# Allegro board MCU-V4.brd (continued)
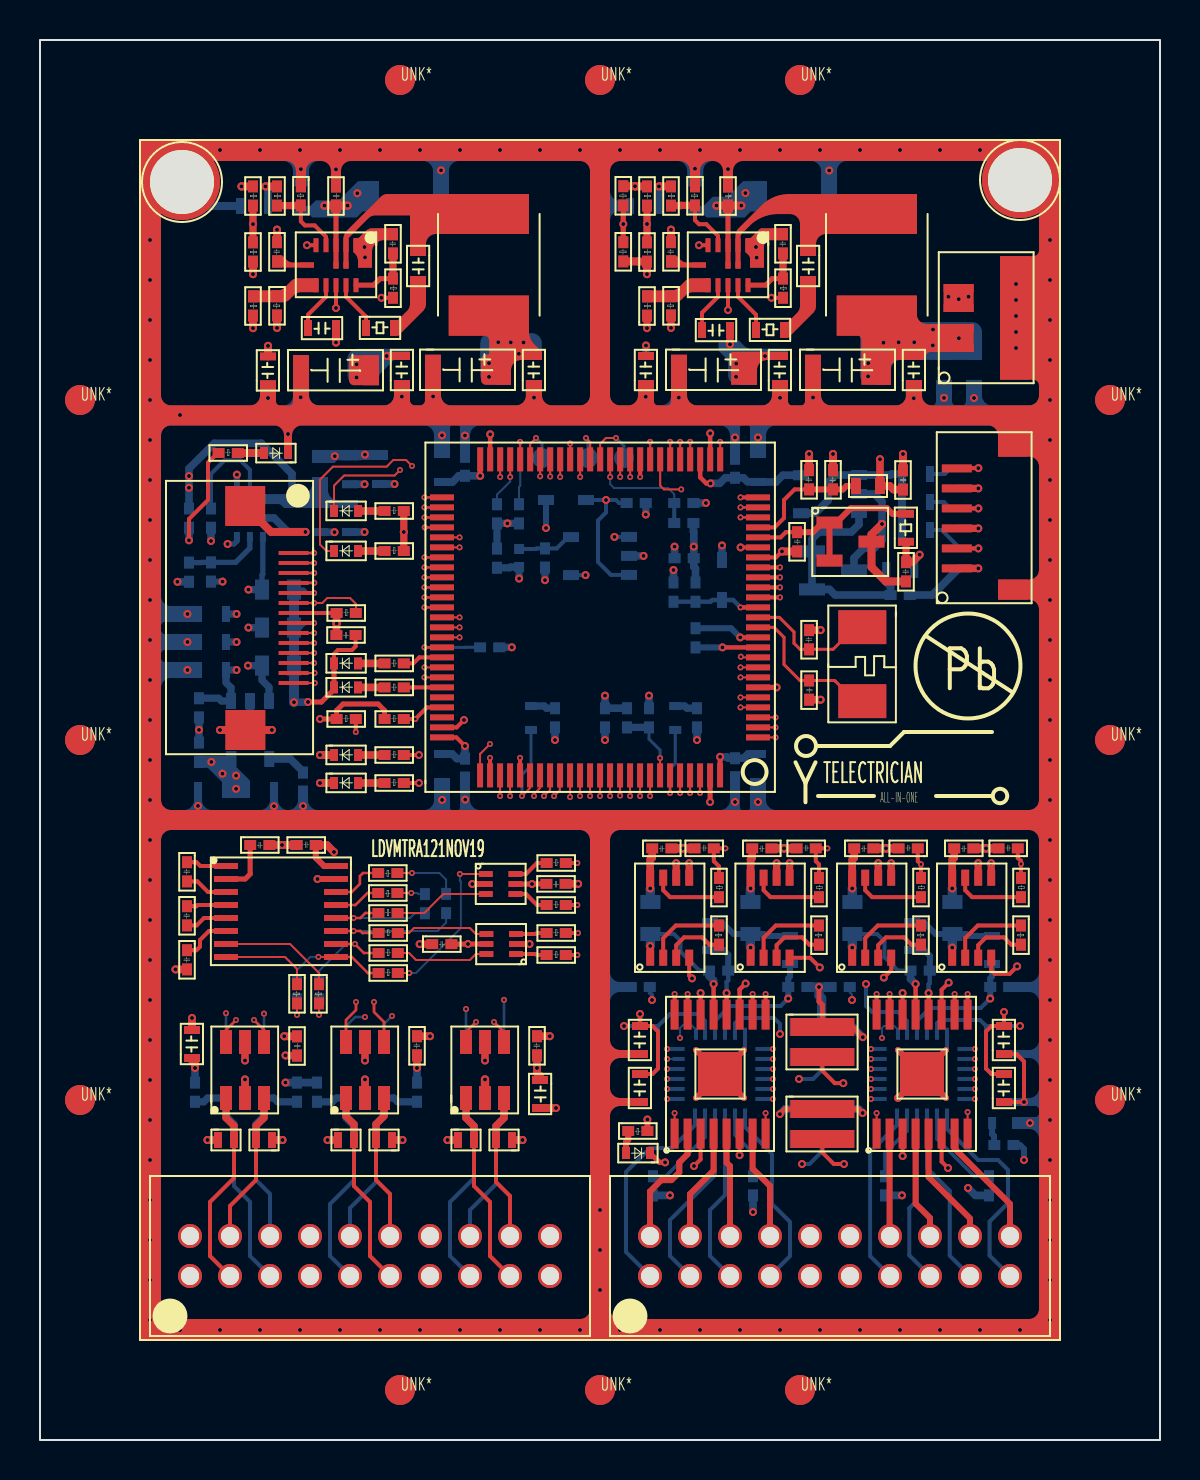
[diagram p0: board, top side]
## Routing (per net, layer and track width the routed paths; a pad name or vN(x,y) marks a point on that pad's centre or on a via; arc(x,y) is an arc through that point) (continued)
12V_MTR: length 2.4
  TOP w0.1: C14.2 v2(30.3,54.73)
  TOP w0.36: R16.2 v2(31.55,55.6) ; C10.1 v2(34.5,54.78)
  BOTTOM w0.38: C14.2 v2(30.3,54.73)
  vias: v2(34.81,53.82) v2(34.8,53.16) v2(36.25,54.2) v2(41.41,53.84) v2(41.4,53.18) v2(42.17,54.86) v2(42.93,54.88) v2(43.71,54.89) v2(44.64,54.73) v2(44.65,55.52) v2(45.95,55.09)
GND: length 201
  TOP w0.2: U4.19 36.8,44.13 v2(37.1,44.43) ; C26.2 15.78,39.68 15.6,39.5 14.89,39.5 14.7,39.31 D4.1 ; C51.1 v2(49.2,16.9) 49.2,18.93 48.83,19.3 C45.1 ; U4.74 20.83,35.63 v2(21.2,36) ; U4.20 v2(35.03,44.63) ; 12.68,40.85 v1(13.71,40.85) ; 12.68,42.35 v1(13.71,42.35)
  TOP w0.22: U4.27 v2(33.51,50.33) ; U16.13 v2(43.78,22.8) ; U4.10 v2(34.12,39.63) ; U15.13 v2(33.68,22.8) ; U4.49 v2(22.51,50.28)
  TOP w0.25: D4.1 D5.1 14.7,37.53 14.07,36.9 v2(13.4,36.9) ; v2(37,16.3) 37,16.3 37.24,16.55 R51.1 40.94,16.55 v2(41.14,16.35) ; U4.99 v2(33.5,31.9) ; v2(31.25,13.88) 30.97,13.88 D14.1 ; v2(41.14,20.14) 40.63,20.65 R50.1 39.12,21.76 38.95,21.93 v2(38.95,22.65)
  TOP w0.3: U16.17 v2(42.9,17.1) ; U16.17 v1(45.3,17.1) ; U16.17 v1(45.3,19.5) ; U16.17 v1(42.9,19.5) ; U6.15 v2(13.87,28.05) ; U11.2 v2(24.48,24.8) ; U15.17 v1(32.8,19.5) ; U15.17 v1(35.2,17.1) ; U15.17 v1(35.2,19.5) ; U15.17 v1(32.8,17.1) ; U5.2 v2(21.61,27.8)
  TOP w0.36: U8.1 v2(35.53,24.62) ; U7.6 v2(31.81,28.84) ; D10.1 v2(14.37,15) ; D11.1 v2(18.13,15) ; U9.1 v2(40.61,24.62) ; U9.5 v2(42.56,28.84) ; C42.1 v2(18.98,24.8) ; R15.1 v2(30.35,55.59) ; J2.5 v2(46.92,47.58) ; U10.6 v2(46.91,28.84) ; U9.6 v2(41.91,28.84) ; U7.5 v2(32.46,28.84) ; U8.6 v2(36.83,28.84) ; U7.1 v2(30.51,24.7) ; U10.5 v2(47.56,28.84) ; U8.5 v2(37.48,28.84) ; J2.1 v2(46.92,43.58) ; J2.3 v2(46.92,45.58) ; U10.1 v2(45.61,24.62)
  TOP w0.38: C40.2 v2(26.91,27.8) ; D13.1 v2(24.13,15) ; U12.2 v2(10.25,18.03) ; C46.2 v2(7.6,21.1) ; D8.1 v2(8.37,15) ; C28.1 v2(39.03,37.01) ; C48.1 v2(19.5,20.19) ; C30.2 v2(12.1,29.75) C29.2 ; C47.2 12.22,20.18 v2(12.21,20.19) ; C43.2 v2(6.77,23.53) ; C27.1 v2(39.03,40.49) ; C49.1 v2(25.49,20.19) ; U13.2 v2(16.25,18.03) ; D12.1 v2(20.37,15) ; D9.1 v2(12.13,15) ; C52.2 v2(25.8,16.6)
  TOP w0.4: v2(9,35.5) J3.M2 v2(11.59,35.5) ; C21.1 v2(38.45,49.3) ; C23.2 v2(43.15,49.3) ; v2(13.27,45.4) 11.56,45.4 J3.M1 ; C5.1 v2(11.85,60.52) ; C22.1 v2(39.65,49.3) ; D6.1 v2(14,34.25) ; C6.1 v2(31.55,60.52) ; v2(30.35,58.29) R10.1 29.92,58.92 29.91,58.93 R9.2 ; v2(42.1,45.8) 41.57,45.27 U3.3 41.57,43.65 42.29,42.93 C25.2 ; D7.1 v2(14,32.85) ; R13.1 v2(10.65,55.59) ; R8.1 v2(10.65,58.29) ; v2(37.1,44.43) C24.1
  TOP w0.42: C35.2 v2(42.3,29.58) C36.2 ; C37.2 v2(47.3,29.58) C38.2 ; C32.2 v2(32.15,29.58) C31.2 ; U14.2 v2(22.25,18.03) ; C33.2 v2(37.2,29.58) C34.2
  BOTTOM w0.2: U15.17 v1(32.8,19.5) ; U15.17 v1(35.2,17.1) ; U15.17 v1(32.8,17.1) ; U15.17 v1(35.2,19.5) 35.25,19.55 U26.18 ; U25.18 45.35,19.55 v1(45.3,19.5) ; C111.2 42.9,23.47 42.22,24.14 42.22,24.93 41.86,25.3 C104.1 ; v1(13.71,40.85) 13.25,40.85 13.02,40.62 C87.1 ; C106.1 31.7,25.3 32.02,24.97 32.02,24.42 32.98,23.47 C112.2 ; C83.1 13.18,42.52 13.35,42.35 v1(13.71,42.35)
  BOTTOM w0.26: v2(9.38,44.8) 9.7,44.8 9.84,44.94 U18.3
  BOTTOM w0.3: U16.17 v1(45.3,19.5) ; U16.17 v2(42.9,17.1) ; U16.17 v1(42.9,19.5) ; U16.17 v1(45.3,17.1) ; C107.2 44.18,25.9 44.78,25.3 C103.1 46.3,25.3 46.4,25.2 C109.2 ; C88.2 v2(34.12,39.63) ; C108.2 34.08,25.9 34.68,25.3 C105.1 36.2,25.3 36.3,25.2 C110.2
  BOTTOM w0.36: D10.1 v2(14.37,15) ; C81.2 R57.2 v2(23.37,45.83) R56.2 ; C80.2 v2(25.25,42.99) ; C76.1 v2(30.29,46.27) ; D11.1 v2(18.13,15)
  BOTTOM w0.38: U14.2 v2(22.25,18.03) ; C84.1 v2(31.68,43.5) ; U20.3 40.7,44.1 41.2,44.6 41.72,44.6 42.1,44.98 v2(42.1,45.8) 42.1,46.92 41.72,47.3 U17.2 ; C74.1 v2(17.73,47.8) ; U12.2 v2(10.25,18.03) ; C85.1 44.61,42.25 45.94,43.58 v2(46.92,43.58) ; U21.2 10.5,35.9 10.9,35.5 v2(11.59,35.5) ; v2(43.78,22.8) 43.53,23.05 C111.2 ; v2(13.27,45.4) C79.2 12.4,45.4 11.7,46.1 U18.7 ; v2(33.68,22.8) 33.68,22.97 33.45,23.2 C112.2 ; C52.2 v2(25.8,16.6) ; R86.2 v2(35.65,11.4) ; D13.1 v2(24.13,15) ; v2(41.14,16.35) 40.94,16.55 R82.1 37.25,16.55 v2(37,16.3) ; R84.2 46.77,12.23 v2(46.4,12.6) ; R87.2 v2(31.5,12.23) ; C93.2 v2(28.25,35) ; v2(13.4,36.9) 13.39,36.89 v2(12.7,36.89) ; R55.2 v2(33.3,46.85) ; C120.1 v2(12.21,20.19) ; C49.1 v2(25.49,20.19) ; R68.1 v2(30.45,37.22) ; R64.1 v2(6.87,42.91) ; C75.1 v2(16.23,47.79) ; C78.1 v2(14.73,45.39) ; C82.2 v2(31.73,44.67) ; U19.2 v2(30.18,44.2) ; C46.2 v2(7.6,21.1) ; D9.1 v2(12.13,15) ; v2(12.1,29.75) 12.1,29.75 C102.2 ; C48.1 v2(19.5,20.19) ; U13.2 v2(16.25,18.03) ; R85.2 v2(43.1,12.23) ; D16.1 v2(34.1,44.73) ; v2(30.29,52.16) 30.3,52.17 C14.1 ; C94.2 v2(7.95,35.51) C92.2 ; C77.1 v2(16.23,45.4) ; D8.1 v2(8.37,15) ; v2(41.14,20.14) 40.63,20.65 R77.1 ; D12.1 v2(20.37,15)
  BOTTOM w0.4: C58.1 8.3,61.7 7.1,62.9
  BOTTOM w0.46: C103.1 45.62,24.63 v2(45.61,24.62) ; C105.1 35.52,24.63 v2(35.53,24.62) ; R77.1 39.08,22.09 38.95,22.22 v2(38.95,22.65) ; v2(40.61,24.62) 40.62,24.63 C104.1 ; v2(38.95,22.65) C114.2 ; v2(38.95,22.65) R73.2 ; v2(30.51,24.7) 30.52,24.71 C106.1
  BOTTOM w0.5: v2(12.7,36.89) C90.1 C87.1 C83.1
  vias: v2(5.5,60) v2(5.5,58) v2(5.5,56) v2(5.5,54) v2(5.5,52) v2(5.5,50) v2(5.5,48) v2(5.5,46) v2(5.5,44) v2(5.5,42) v2(5.5,40) v2(5.5,38) v2(5.5,36) v2(5.5,34) v2(5.5,32) v2(5.5,30) v2(5.5,28) v2(5.5,26) v2(5.5,24) v2(5.5,22) v2(5.5,20) v2(5.5,18) v2(5.5,16) v2(5.5,14) v2(5.5,12) v2(5.5,10) v2(5.5,8) v2(5.5,6) v2(7,51.25) v2(7,5.5) v2(7.37,41.3) v2(7.37,39.9) v2(7.37,38.5) v2(7.9,31.7) v2(9,64.5) v2(9,5.5) v2(11,64.5) v2(11,5.5) v2(11.4,52.1) v2(11.7,31.69) v2(12.4,50.3) v2(13,64.5) v2(13.04,63.54) v2(13.04,52.14) v2(13,5.5) v2(13.15,31.7) v2(14.8,63.53) v2(15,64.5) v2(15,5.5) v2(16.22,59.65) v2(16.25,59.13) v2(16.54,60.11) v2(17,64.5) v2(17,5.5) v2(18.09,52.17) v2(19,64.5) v2(19,5.5) v2(19.65,52.18) v2(20.05,63.48) v2(20.1,50.23) v2(20.11,32) v2(21,64.5) v2(21,5.5) v2(21.25,50.22) v2(21.26,32.02) v2(23,64.5) v2(23,5.5) v2(24.7,52.12) v2(25,64.5) v2(25,5.5) v2(27,64.5) v2(27,5.5) v2(28,11.5) v2(28,9.5) v2(28,7.5) v2(29,64.5) v2(29,5.5) v2(31,64.5) v2(31,5.5) v2(31.94,52.12) v2(32.75,63.57) v2(33,64.5) v2(33,5.5) v2(34.4,63.55) v2(34.75,50.12) v2(34.75,31.9) v2(35,64.5) v2(35,5.5) v2(35.8,59.65) v2(35.83,59.12) v2(35.9,50.12) v2(35.9,31.9) v2(36.14,60.11) v2(37,64.5) v2(37,52.11) v2(37,5.5) v2(38.65,52.12) v2(39,64.5) v2(39,5.5) v2(39.46,63.47) v2(41,64.5) v2(41,5.5) v2(43,64.5) v2(43,5.5) v2(43.69,52.09) v2(45,64.5) v2(45,5.5) v2(45.2,52.11) v2(45.42,57.16) v2(45.94,57.04) v2(46.43,57.16) v2(46.7,52.1) v2(47,64.5) v2(47,5.5) v2(48.8,57.8) v2(48.8,57) v2(48.8,56.2) v2(48.8,55.4) v2(48.8,54.6) v2(49,5.5) v2(49.5,15.85) v2(50.5,60) v2(50.5,58) v2(50.5,56) v2(50.5,54) v2(50.5,52) v2(50.5,50) v2(50.5,48) v2(50.5,46) v2(50.5,44) v2(50.5,42) v2(50.5,40) v2(50.5,38) v2(50.5,36) v2(50.5,34) v2(50.5,32) v2(50.5,30) v2(50.5,28) v2(50.5,26) v2(50.5,24) v2(50.5,22) v2(50.5,20) v2(50.5,18) v2(50.5,16) v2(50.5,14) v2(50.5,12) v2(50.5,10) v2(50.5,8) v2(50.5,6)
VBAT_ADC: length 8.6
  TOP w0.2: U4.34 v1(30.01,48.16)
  SIGNAL-L3 w0.2: v1(30.01,48.16) 30.01,47.37 28.72,46.08 v2(28.72,45.16) 28.72,44.26 27.7,43.25 v2(27.28,43.25)
  BOTTOM w0.2: U19.4 v2(27.28,43.25) ; 29.45,45.16 v2(28.72,45.16)
VBAT_IN: length 7.4
  TOP w0.4: v2(35.07,61.72) C2.1 v2(33.82,61.72) ; R1.2 v2(10.07,62.68) ; R6.2 v2(30.95,62.68) ; R4.1 v2(29.75,62.69) 29.76,62.68 R5.2 ; R2.2 v2(11.27,62.68) ; v2(15.38,61.72) C1.1 v2(14.22,61.72)
  BOTTOM w0.38: C58.2 11.4,62.55 v2(11.27,62.68) ; C57.2 30.9,62.18 30.95,62.23 v2(30.95,62.68)
  vias: v2(15.87,62.34) v2(35.27,62.35)
BOOT0: length 3.7
  TOP w0.1: U4.94 v1(31,34.1)
  BOTTOM w0.15: v1(31,34.1) 31,34.5 30.45,35.05 R68.2
  BOTTOM w0.36: R68.2 R69.2
BOOT1: length 6.1
  TOP w0.1: U4.37 v1(28.51,48.16)
  BOTTOM w0.1: R55.1 31.71,47.29 31.4,47.6 28.7,47.6 28.51,47.79 v1(28.51,48.16)
  BOTTOM w0.2: R55.1 R60.1
ENC1_A: length 10
  BOTTOM w0.2: D21.2 21.7,13.1 20.5,11.9 20.5,9.2 J4.8
  BOTTOM w0.36: D21.2 21.7,15.71 21.3,16.11 U22.3
ENC1_A_BUF: length 68.6
  TOP w0.127: v1(35.02,46.63) U4.24
  SIGNAL-L7 w0.127: v1(35.02,46.63) 34.1,46.63 33.37,45.89 31.65,45.89 30.66,46.89 29.7,46.89 29.21,46.39 27.84,46.39 26.29,44.85 23.25,44.85 22.35,43.95 20.95,43.95 19.83,42.83 19.83,41.28 19.37,40.83 17.41,40.83 16.63,41.6 16.63,44.38 17.06,44.82 17.06,46.03 16.17,46.92 13.26,46.92 12.2,45.86 12.2,39.14 11.38,38.31 11.38,36.5 12.56,35.32 12.56,29.9 12.58,29.89 12.58,23.49 13.61,22.45 20.85,22.45 21.3,22 v1(21.3,21.55)
  BOTTOM w0.127: v1(21.3,21.55) U22.4
ENC1_B: length 7.6
  BOTTOM w0.2: J4.13 21.5,11.5 22.8,12.8 D20.2
  BOTTOM w0.36: U22.1 23.2,16.11 22.8,15.71 D20.2
ENC1_B_BUF: length 68.5
  TOP w0.127: U4.23 v1(35.02,46.13)
  SIGNAL-L7 w0.127: v1(23.2,22.01) 22.26,22.95 13.95,22.95 13.13,23.77 13.13,29.39 13.99,30.25 13.99,31.88 13.11,32.76 13.11,35.69 11.98,36.81 11.98,38.04 12.65,38.71 12.65,45.58 13.45,46.38 15.07,46.38 15.08,46.38 15.08,46.37 15.53,45.92 15.53,44.72 15.83,44.41 15.83,41.16 16.84,40.15 19.51,40.15 20.45,41.09 20.45,42.36 21.37,43.28 22.88,43.28 23.91,44.3 26.69,44.3 28.14,45.75 29.51,45.75 29.92,45.33 33.79,45.33 34.59,46.13 v1(35.02,46.13)
  BOTTOM w0.127: v1(23.2,22.01) U22.6
ENC2_A: length 7.4
  TOP w0.2: J4.12 23.5,12.2 22.8,12.9 D13.2
  TOP w0.36: U14.3 23.2,16.1 22.8,15.7 D13.2
ENC2_A_BUF: length 18.1
  TOP w0.1: U4.91 v1(29.5,32.2)
  TOP w0.127: U14.4 23.2,20.4 v1(22.7,20.9)
  SIGNAL-L7 w0.1: v1(22.7,20.9) 25.68,20.9 29.5,24.73 v1(29.5,32.2)
ENC2_B: length 9.8
  TOP w0.2: J4.9 22.5,9.2 22.5,11.9 21.7,12.7 D12.2
  TOP w0.36: D12.2 21.7,15.7 21.3,16.1 U14.1
ENC2_B_BUF: length 18.3
  TOP w0.1: U4.90 v1(29,32.22)
  TOP w0.127: U14.6 21.3,20.4 v1(21.8,20.9)
  SIGNAL-L7 w0.1: v1(21.8,20.9) 22.33,21.43 25.35,21.43 29,25.08 v1(29,32.22)
ENC3_A: length 7.4
  TOP w0.2: J4.15 17.5,12.3 16.8,13 D11.2
  TOP w0.36: D11.2 16.8,15.79 17.2,16.19 U13.3
ENC3_A_BUF: length 25.3
  TOP w0.127: U13.4 17.2,20.9 16.7,21.4 v1(16.7,21.9) ; U4.60 v1(19.22,42.63)
  SIGNAL-L3 w0.127: v1(16.7,21.9) 16.94,22.14 16.94,41.11 18.46,42.63 v1(19.22,42.63)
ENC3_B: length 9.8
  TOP w0.2: J4.6 16.5,9.2 16.5,11.9 15.7,12.7 D10.2
  TOP w0.36: D10.2 15.7,15.79 15.3,16.19 U13.1
ENC3_B_BUF: length 26.3
  TOP w0.127: U13.6 15.3,21 15.8,21.5 v1(15.8,21.9) ; U4.59 v1(19.22,43.13)
  SIGNAL-L3 w0.127: v1(19.22,43.13) 18.21,43.13 16.37,41.29 16.37,22.47 v1(15.8,21.9)
ENC4_A: length 7.6
  TOP w0.2: D9.2 10.8,13 9.5,11.7 J4.19
  TOP w0.36: U12.3 11.2,16.11 10.8,15.71 D9.2
ENC4_A_BUF: length 52.6
  TOP w0.1: U4.40 v1(27.01,48.16)
  TOP w0.127: v1(10.7,21) 11.2,20.5 U12.4
  SIGNAL-L7 w0.127: v1(27.01,48.16) 27.01,47.8 26.09,46.88 20.47,46.88 19.48,47.87 19.48,48.85 17.41,50.92 14.79,50.92 13.92,50.04 13.92,49.14 11.42,46.65 11.42,44.94 10.24,43.75 9,43.75 8.47,43.23 8.47,37.08 7.25,35.85 7.25,28.23 10.7,24.78 v1(10.7,21)
ENC4_B: length 10
  TOP w0.2: J4.2 8.5,9.2 8.5,11.9 9.7,13.1 D8.2
  TOP w0.36: U12.1 9.3,16.11 9.7,15.71 D8.2
ENC4_B_BUF: length 52.4
  TOP w0.1: U4.42 v1(26.01,48.16)
  TOP w0.127: v1(9.8,21) 9.3,20.5 U12.6
  SIGNAL-L7 w0.127: v1(26.01,48.16) 26.01,47.82 25.62,47.43 20.78,47.43 20.11,48.1 20.11,49.1 17.77,51.43 14.37,51.43 13.27,50.34 13.27,49.5 10.85,47.09 10.85,45.15 9.95,44.24 8.93,44.24 8,43.31 8,37.78 6.52,36.3 6.52,27.69 10.05,24.16 10.05,21.25 v1(9.8,21)
LIMIT_SW1: length 30.8
  TOP w0.127: U4.57 v1(19.22,44.13)
  SIGNAL-L3 w0.127: v1(19.22,44.13) 17.71,44.13 15.13,41.55 14.62,41.55 14.26,41.19 14.26,40.14 14.7,39.7 14.7,31.94 12.72,29.96 12.72,25.18 9.3,21.76 v1(9.3,21.34)
  BOTTOM w0.127: U24.4 v1(9.3,21.34)
LIMIT_SW2: length 28.7
  TOP w0.127: v1(19.22,43.63) U4.58
  SIGNAL-L3 w0.127: v1(11.2,21.32) 11.2,22.45 13.3,24.55 13.3,29.63 15.3,31.63 15.3,39.74 15.54,39.98 15.54,41.23 17.94,43.63 v1(19.22,43.63)
  BOTTOM w0.127: U24.6 v1(11.2,21.32)
LIMIT_SW3: length 25.6
  TOP w0.127: U4.61 v1(19.22,42.13)
  SIGNAL-L3 w0.127: v1(19.22,42.13) 18.71,42.13 17.41,40.84 17.41,21.81 16.75,21.15 v1(16.25,21.15)
  BOTTOM w0.127: v1(16.25,21.15) 15.76,21.15 15.3,20.69 U23.4
LIMIT_SW4: length 23.6
  TOP w0.127: v1(19.22,41.63) U4.62
  SIGNAL-L3 w0.127: v1(17.6,21.2) 18.08,21.68 18.08,40.83 18.88,41.63 v1(19.22,41.63)
  BOTTOM w0.127: v1(17.6,21.2) 17.2,20.8 U23.6
LSW1: length 11.4
  BOTTOM w0.2: D25.2 9.7,12.7 10.5,11.9 10.5,9.2 J4.3
  BOTTOM w0.36: R81.1 8.19,16.91 8.38,17.1 U24.3 9.3,16.19 9.7,15.79 D25.2
LSW2: length 9.1
  BOTTOM w0.2: J4.18 11.5,12.3 10.8,13 D24.2
  BOTTOM w0.36: R80.1 11.88,16.91 11.69,17.1 U24.1 11.2,16.19 10.8,15.79 D24.2
LSW3: length 11.5
  BOTTOM w0.2: D23.2 15.7,13 14.5,11.8 14.5,9.2 J4.5
  BOTTOM w0.36: R79.1 14.62,16.91 14.81,17.1 U23.3 15.3,16.11 15.7,15.71 D23.2
LSW4: length 9.3
  BOTTOM w0.2: J4.16 15.5,11.6 16.8,12.9 D22.2
  BOTTOM w0.36: D22.2 16.8,15.79 17.2,16.19 U23.1 17.69,17.1 17.88,16.91 R78.1
M1_DRV+: length 6.2
  TOP w0.3: U15.2 32.38,14.29 31.96,13.88 31.96,13.39 31.57,12.99 31.07,12.99 30.5,12.43 J5.20
M1_DRV-: length 5.6
  TOP w0.3: U15.4 33.68,13.48 32.5,12.3 J5.19
M1_I_ADC: length 27.3
  TOP w0.2: v1(39.37,29.58) C34.1 38.79,28.94 38.95,28.78 R33.2 ; U4.16 v1(37,42.63)
  SIGNAL-L3 w0.15: v1(37,42.63) 43.07,42.63 45.52,40.19 45.52,33.26 43.13,30.87 40.65,30.87 v1(39.37,29.58)
M1_PWM+: length 31.1
  TOP w0.1: U4.64 v1(20.98,40.63)
  TOP w0.2: U15.10 v1(35.63,22.3)
  SIGNAL-L4 w0.1: v1(35.63,22.3) 36.72,23.39 36.72,24.93 35.55,26.1 34.62,26.1 33.54,27.18 33.54,29.35 31,31.89 31,33.06 29.3,34.77 29.3,38.05 26.71,40.63 v1(20.98,40.63)
M1_PWM-: length 32.7
  TOP w0.1: v1(29.51,48.16) U4.35
  TOP w0.2: U15.9 v1(36.28,22.3)
  SIGNAL-L8 w0.1: v1(36.28,22.3) 37.04,23.05 37.04,24.4 34.43,27 34.43,28.03 35.33,28.92 35.33,32.16 33.86,33.63 32.61,33.63 29.51,36.73 v1(29.51,48.16)
M2_DRV+: length 5.5
  TOP w0.3: J5.17 36.5,12.7 35.63,13.57 U15.7
M2_DRV-: length 5.2
  TOP w0.3: U15.5 34.33,13.87 34.5,13.7 J5.18
M2_I_ADC: length 29.9
  TOP w0.2: v1(34.27,29.58) C32.1 33.69,28.94 33.95,28.68 R32.2 ; U4.15 v1(37,42.13)
  SIGNAL-L3 w0.15: v1(34.27,29.58) 35.36,30.67 38.63,30.67 40.2,32.24 42.48,32.24 44.65,34.41 44.65,40.19 42.7,42.13 v1(37,42.13)
M2_PWM+: length 28.2
  TOP w0.1: U4.65 v1(20.98,40.13)
  TOP w0.2: U15.16 v1(31.73,22.3)
  SIGNAL-L4 w0.1: v1(31.73,22.3) 31.73,27.92 30.52,29.13 30.52,30.15 29.45,31.22 23.04,31.22 21.91,32.35 21.91,39.68 21.46,40.13 v1(20.98,40.13)
M2_PWM-: length 32.2
  TOP w0.1: v1(29.01,48.16) U4.36
  TOP w0.2: U15.15 v1(32.38,22.3)
  SIGNAL-L8 w0.1: v1(29.01,48.16) 29.01,46.7 27.75,45.44 27.75,44.3 28.41,43.64 28.41,40.23 27.26,39.08 27.26,34.68 28.14,33.79 29.96,33.79 30.97,32.78 30.97,28.46 31.83,27.6 31.83,22.84 v1(32.38,22.3)
M3_DRV+: length 5.1
  TOP w0.3: U16.2 42.48,10.35 42.5,10.33 J5.14
M3_DRV-: length 5.4
  TOP w0.3: U16.4 43.78,11.82 44.5,11.1 J5.13
M3_I_ADC: length 26.7
  TOP w0.2: U4.18 v1(37,43.63) ; R35.2 v1(49.05,28.81) 49.05,28.95 48.89,29.11 C38.1
  SIGNAL-L3 w0.15: v1(49.05,28.81) 49.37,29.13 49.37,30.61 47.75,32.22 47.75,39.71 43.83,43.63 v1(37,43.63)
M3_PWM+: length 42.9
  TOP w0.1: U4.44 v1(25.01,48.18)
  TOP w0.2: U16.16 v1(41.83,22.3)
  SIGNAL-L8 w0.1: v1(41.83,22.3) 41.5,22.3 41.44,22.23 41.05,22.23 40.6,22.69 40.6,23.59 39.92,24.27 39.92,26.01 38.49,27.43 38.49,31.38 34.75,35.13 33.5,35.13 30.43,38.19 30.43,43.19 31.04,43.81 31.04,46.54 30.82,46.76 30.82,48.2 30.19,48.84 28.32,48.84 27.91,48.43 27.91,47.49 26.95,46.53 25.83,46.53 25.01,47.36 v1(25.01,48.18)
M3_PWM-: length 43.2
  TOP w0.1: U4.43 v1(25.51,48.17)
  TOP w0.2: U16.15 v1(42.48,22.3)
  SIGNAL-L8 w0.1: v1(25.51,48.17) 25.51,47.41 25.93,46.98 26.77,46.98 27.51,47.72 27.51,48.7 28.12,49.31 30.51,49.31 31.38,48.43 31.38,46.93 32.16,46.15 32.16,43.09 31.39,42.31 31.39,38.05 33.83,35.61 35.5,35.61 40.86,30.25 40.86,28.74 42.8,26.79 42.8,22.99 42.48,22.67 v1(42.48,22.3)
M4_DRV+: length 6.3
  TOP w0.3: U16.7 45.73,14.57 48.5,11.8 J5.11
M4_DRV-: length 6
  TOP w0.3: J5.12 46.5,11.08 44.43,13.15 U16.5
M4_I_ADC: length 25.8
  TOP w0.2: R34.2 v1(44.05,28.78) 43.89,28.94 C36.1 ; U4.17 v1(37,43.13)
  SIGNAL-L3 w0.15: v1(37,43.13) 43.43,43.13 46.65,39.91 46.65,32.64 44.37,30.36 44.37,29.1 v1(44.05,28.78)
M4_PWM+: length 40.4
  TOP w0.1: U4.63 v1(20.98,41.13)
  TOP w0.2: U16.9 v1(46.38,22.3)
  SIGNAL-L4 w0.1: v1(20.98,41.13) 27.85,41.13 31.39,37.6 31.39,35.4 34.1,32.68 34.1,30.89 36.03,28.97 36.03,28.36 37.03,27.35 37.98,27.35 39.52,25.8 46.21,25.8 47.12,24.89 47.12,23.04 v1(46.38,22.3)
M4_PWM-: length 39.5
  TOP w0.1: v1(32.06,47.53) 31.2,47.53 31.01,47.72 U4.32
  TOP w0.2: U16.10 v1(45.73,22.3)
  SIGNAL-L8 w0.1: v1(45.73,22.3) 46.61,23.18 46.61,25.27 45.76,26.12 44.89,26.12 43.45,27.56 43.45,31.67 40.92,34.2 38.64,34.2 37.61,35.23 37.61,36.33 37.22,36.72 36.13,36.72 35.51,36.09 34.32,36.09 33.42,37 33.42,45.67 32.06,47.02 v1(32.06,47.53)
MCU_LED1: length 1.9
  TOP w0.2: R25.1 18.72,37.63 18.72,37.63 U4.70
MCU_LED2: length 2
  TOP w0.2: R24.1 18.67,38.83 18.97,39.13 U4.67
MCU_LED3: length 5.7
  TOP w0.2: R28.1 v2(18.95,34.25) ; U4.77 22.5,34.1 22.5,34.1 v1(22.5,34.11)
  SIGNAL-L7 w0.127: v2(18.95,34.25) 19.64,33.56 21.57,33.56 22.12,34.11 v1(22.5,34.11)
MCU_LED4: length 7.2
  TOP w0.2: R29.1 v2(18.95,32.85) ; v1(24,34.11) U4.80
  SIGNAL-L7 w0.127: v2(18.95,32.85) 22.13,32.85 23.39,34.11 v1(24,34.11)
MCU_RST_CPU: length 25.6
  TOP w0.1: 12.68,41.85 v1(13.71,41.85) 14.12,41.85 14.37,42.1 15.5,42.1 15.8,41.8 15.8,41.36 R23.1 ; U4.33 v1(30.51,49.91)
  SIGNAL-L4 w0.1: v1(30.51,49.91) 29.85,49.91 29.05,49.12 24.45,49.12 24.18,48.85 24.18,47.46 23.54,46.82 21.52,46.82 19.47,44.77 17.77,44.77 14.85,41.85 v1(13.71,41.85)
MCU_RST_FPGA: length 10.3
  TOP w0.127: v1(19.22,39.63) U4.66 ; 12.68,39.85 v1(13.71,39.85)
  SIGNAL-L4 w0.1: v1(19.22,39.63) 18.88,39.63 18.66,39.85 v1(13.71,39.85)
  BOTTOM w0.15: v1(19.22,39.63) 21.26,39.63 21.26,39.63 R66.1
MCU_SPI2_MISO: length 8.6
  TOP w0.127: v1(19.22,46.13) 20.09,46.13 U4.53 ; 12.68,43.35 v1(13.71,43.35)
  SIGNAL-L3 w0.127: v1(13.71,43.35) 15.04,43.35 17.82,46.13 v1(19.22,46.13)
MCU_SPI2_MOSI: length 8.6
  TOP w0.127: v1(13.71,42.86) 12.69,42.86 12.68,42.85 ; U4.54 v1(19.24,45.63)
  SIGNAL-L3 w0.127: v1(19.24,45.63) 18.25,44.65 17.29,44.65 15.51,42.86 v1(13.71,42.86)
MCU_SPI2_NSS: length 9.5
  TOP w0.127: v1(19.22,47.13) U4.51 ; 12.68,44.35 v1(13.71,44.35)
  SIGNAL-L3 w0.127: v1(13.71,44.35) 14.79,44.35 15.2,44.76 15.2,46.27 16.06,47.13 v1(19.22,47.13)
MCU_SPI2_SCK: length 9.3
  TOP w0.127: v1(13.71,43.85) 12.68,43.85 ; U4.52 v1(19.22,46.63)
  SIGNAL-L3 w0.127: v1(13.71,43.85) 14.77,43.85 15.65,44.73 15.65,46 16.28,46.63 v1(19.22,46.63)
MCU_UART1_RXD: length 7.7
  TOP w0.1: U4.69 v1(19.22,38.13) ; 12.68,38.85 v1(13.71,38.85)
  SIGNAL-L7 w0.1: v1(19.22,38.13) 18.37,38.13 17.65,38.85 v1(13.71,38.85)
MCU_UART1_TXD: length 7.7
  TOP w0.1: U4.68 v1(19.22,38.63) ; 12.68,39.35 v1(13.71,39.35)
  SIGNAL-L7 w0.1: v1(19.22,38.63) 18.56,38.63 17.84,39.35 v1(13.71,39.35)
MCU_UART3_RXD: length 36
  TOP w0.1: v1(20.98,44.63) U4.56
  TOP w0.2: R37.1 v1(26.87,26.75)
  SIGNAL-L8 w0.1: v1(26.87,26.75) 27.8,27.68 27.8,28.9 27.21,29.49 16.98,29.49 14.67,31.8 14.67,38.25 17.22,40.8 19.38,40.8 19.84,41.26 19.84,42.21 20.64,43.01 21.06,43.01 21.6,43.54 21.6,44.44 21.4,44.63 v1(20.98,44.63)
MCU_UART3_TXD: length 38.5
  TOP w0.1: v1(20.98,45.13) U4.55
  TOP w0.2: R40.1 v1(26.9,25.35)
  SIGNAL-L8 w0.1: v1(26.9,25.35) 28.5,26.95 28.5,29 27.54,29.97 17.54,29.97 15.3,32.21 15.3,38.05 17.57,40.32 19.79,40.32 20.38,40.91 20.38,41.98 20.83,42.42 21.42,42.42 22.05,43.05 22.05,44.71 21.63,45.13 v1(20.98,45.13)
MCU_UART4_RXD: length 7.1
  TOP w0.1: U4.79 v1(23.5,32.2)
  TOP w0.2: R30.1 v1(26.87,28.85)
  SIGNAL-L7 w0.1: v1(26.87,28.85) 26.87,29.73 25.8,30.8 24.58,30.8 23.5,31.87 v1(23.5,32.2)
MCU_UART4_TXD: length 11.7
  TOP w0.1: U4.78 v1(23,32.2)
  TOP w0.2: v1(26.87,24.25) R46.1
  SIGNAL-L7 w0.1: v1(26.87,24.25) 26.87,24.63 26.1,25.4 26.1,29.4 25.4,30.1 24.4,30.1 23,31.5 v1(23,32.2)
Net_2: length 0.9
  TOP w0.1: v1(35.04,39.17) 35.08,39.13 35.9,39.13
NFAULT12: length 70.7
  TOP w0.1: D2.1 14.7,47.72 15.21,48.22 17.72,48.22 v1(18,48.5) ; U15.8 v1(36.28,16.35) ; v1(23.01,48.16) U4.48
  SIGNAL-L8 w0.1: v1(18,48.5) 18.33,48.17 19.49,48.17 20.18,48.86 22.3,48.86 v1(23.01,48.16) 23.01,46.65 22.7,46.34 22.7,38.44 21.82,37.56 17.9,37.56 16.79,36.45 16.79,32.09 18.38,30.51 27.89,30.51 29.1,29.3 29.1,25.5 27.2,23.6 27.2,16.1 27.9,15.4 32.2,15.4 33.15,16.35 v1(36.28,16.35)
NFAULT34: length 74.4
  TOP w0.1: v1(18.6,48.7) 18.3,49 17.67,49 17.33,48.66 14.65,48.66 14,48.02 14,44.77 14.32,44.45 D3.1 ; U16.8 v1(46.38,16.4) ; U4.41 v1(26.51,49.82)
  SIGNAL-L8 w0.1: v1(18.6,48.7) 19.17,48.7 19.97,49.5 23.18,49.5 23.58,49.1 26.12,49.1 26.51,49.48 v1(26.51,49.82) 26.51,50.33 27.06,50.88 39.45,50.88 41.01,49.32 41.01,47.19 41.94,46.26 44.07,46.26 45.39,44.95 45.39,29.18 47.54,27.03 47.54,23.21 46.99,22.66 46.99,20.83 47.82,19.99 47.82,17.07 47.14,16.4 v1(46.38,16.4)
NRST_MCU: length 27.3
  TOP w0.1: 12.68,40.35 v1(13.71,40.35)
  TOP w0.22: U4.14 v1(35.02,41.63)
  SIGNAL-L4 w0.1: v1(13.71,40.35) 19.32,40.35 20.6,41.63 v1(35.02,41.63)
  BOTTOM w0.22: C84.2 R65.2 33.51,41.91 33.53,41.94 33.55,41.94 33.61,42 D16.2 34.66,42 v1(35.02,41.63)
NSLEEP12: length 56
  TOP w0.1: U15.1 v1(31.73,16.35) ; U4.47 v1(23.51,48.16)
  SIGNAL-L8 w0.1: v1(31.73,16.35) 31.5,16.58 28.62,16.58 27.9,17.3 27.9,23.37 29.7,25.17 29.7,29.6 28.19,31.11 19.09,31.11 17.56,32.64 17.56,36.11 18.47,37.02 23.48,37.02 24.58,38.12 24.58,46.33 23.51,47.4 v1(23.51,48.16)
  BOTTOM w0.1: v1(23.51,48.16) 23.51,47.92 22.85,47.27 R57.1
NSLEEP34: length 69.8
  TOP w0.1: U4.46 24.01,49.86 v1(24.01,49.91) ; U16.1 v1(41.83,16.35)
  SIGNAL-L8 w0.1: v1(41.83,16.35) 42.38,15.8 47.5,15.8 48.34,16.63 48.34,19.19 49.9,20.75 49.9,25.91 48.31,27.5 48.31,29.92 46.16,32.08 46.16,45.18 44.33,47.01 44.33,49.2 43.21,50.31 41.02,50.31 39.98,51.36 24.93,51.36 24.01,50.44 v1(24.01,49.91)
  BOTTOM w0.1: R56.1 23.95,47.65 24.01,47.71 v1(24.01,49.91)
OSCIN: length 7.5
  TOP w0.15: Y1.2 40.76,36.94 39.77,37.94 39.76,37.94 39.73,37.97 C28.2 38,37.97 37.2,38.78 37.2,40.13 36.7,40.63 U4.12
OSCOUT: length 6.7
  TOP w0.15: Y1.1 40.76,40.64 39.65,39.53 C27.2 38,39.53 37.7,39.84 37.7,40.4 36.97,41.13 U4.13
PT100-1: length 22.8
  TOP w0.1: U4.31 v1(31.51,49.91)
  TOP w0.2: J2.2 v2(46.92,44.58)
  SIGNAL-L7 w0.1: v2(46.92,44.58) 45.94,44.58 43.88,46.64 37.43,46.64 35.63,48.45 32.17,48.45 31.51,49.11 v1(31.51,49.91)
  BOTTOM w0.2: v2(46.92,44.58) 46,44.58 45.08,45.5 R61.2
PT100-2: length 21.1
  TOP w0.1: U4.30 v1(32.01,49.91)
  TOP w0.2: J2.4 v2(46.92,46.58)
  SIGNAL-L7 w0.1: v2(46.92,46.58) 45.2,46.58 44.55,47.23 37.7,47.23 35.99,48.94 32.38,48.94 32.01,49.31 v1(32.01,49.91)
  BOTTOM w0.2: v2(46.92,46.58) 45.52,46.58 45.2,46.9 R54.2
PT100-3: length 20.3
  TOP w0.1: U4.29 v1(32.51,49.91)
  TOP w0.2: v2(46.92,48.59) 45.85,48.59 J2.6
  SIGNAL-L7 w0.1: v2(46.92,48.59) 45.2,48.59 44.39,47.78 37.92,47.78 36.3,49.41 32.68,49.41 32.51,49.58 v1(32.51,49.91)
  BOTTOM w0.2: R53.2 45.24,48.3 45.54,48.59 v2(46.92,48.59)
RXD1: length 27.1
  TOP w0.1: v1(18.57,27.35) R36.2
  SIGNAL-L3 w0.1: 20.12,26.13 20.12,18.09 18.76,16.73 18.76,13.86 17.74,12.84 14.14,12.84 12.42,11.12 12.42,9.28 J4.4
  SIGNAL-L3 w0.127: 20.12,26.13 18.91,27.35 v1(18.57,27.35)
  BOTTOM w0.1: v1(18.57,27.35) 18.86,27.35 18.92,27.3 R72.2
RXD2: length 16.4
  TOP w0.1: R48.2 v1(12.85,21.25)
  SIGNAL-L3 w0.127: v1(12.85,21.25) 13.09,21.01 13.09,14.94 12.15,14 9.41,14 7.5,12.09 J4.20
  BOTTOM w0.1: v1(12.85,21.25) 12.84,21.26 R76.2
SMTR1_ADEC: length 21.6
  TOP w0.1: U4.86 27,32.2 v1(27,32.2)
  SIGNAL-L3 w0.1: v1(27,32.2) 27,31.87 27,31.87 27,30.47 27.99,29.48 27.99,23.3 28.49,22.81 30.72,22.81 31.2,22.33 31.2,21.57 31.79,20.99 35.21,20.99 v1(36.65,19.55)
  BOTTOM w0.2: U26.19 v1(36.65,19.55)
SMTR1_DEC0: length 24.2
  TOP w0.1: U4.89 v1(28.5,32.2)
  SIGNAL-L3 w0.1: v1(36.65,18.05) 37.11,18.05 38.47,19.4 38.47,23.95 36.74,25.67 31.21,25.67 29.47,27.41 29.47,30.73 28.5,31.69 v1(28.5,32.2)
  BOTTOM w0.2: U26.22 v1(36.65,18.05)
SMTR1_DEC1: length 25.8
  TOP w0.1: v1(30.5,32.2) U4.93
  SIGNAL-L3 w0.1: v1(30.5,32.2) 30.5,31.63 31.16,30.97 31.16,28.52 32.77,26.91 37.24,26.91 40.04,24.11 40.04,18.7 38.4,17.05 v1(36.65,17.05)
  BOTTOM w0.2: U26.24 v1(36.65,17.05)
SMTR1_DIR: length 18.9
  TOP w0.1: v1(26.5,32.15) U4.85
  SIGNAL-L3 w0.1: v1(32,20.1) 28.79,20.1 27.5,21.39 27.5,29.21 26.5,30.2 v1(26.5,32.15)
  BOTTOM w0.1: U26.13 32.8,20.51 32.57,20.74 32.14,20.74 32,20.6 v1(32,20.1)
SMTR1_I0: length 22.9
  TOP w0.1: v1(27.5,32.2) U4.87
  SIGNAL-L3 w0.1: v1(27.5,32.2) 27.5,30.81 28.5,29.82 28.5,25.6 30.43,23.67 36.26,23.67 36.86,23.07 36.86,21.42 37.59,20.69 37.59,19.66 36.97,19.05 v1(36.65,19.05)